# Altium PCB PCB1.PcbDoc
Units mm, origin at the board's own origin, x right, y up, seen from the top; angles counter-clockwise.
Board outline 53.75 x 28.96 mm, 4 copper layers (Top Layer, Layer 1, Layer 2, Bottom Layer), stack 0.603 mm thick; 77 components, 63 nets, 300 pads, 408 vias.
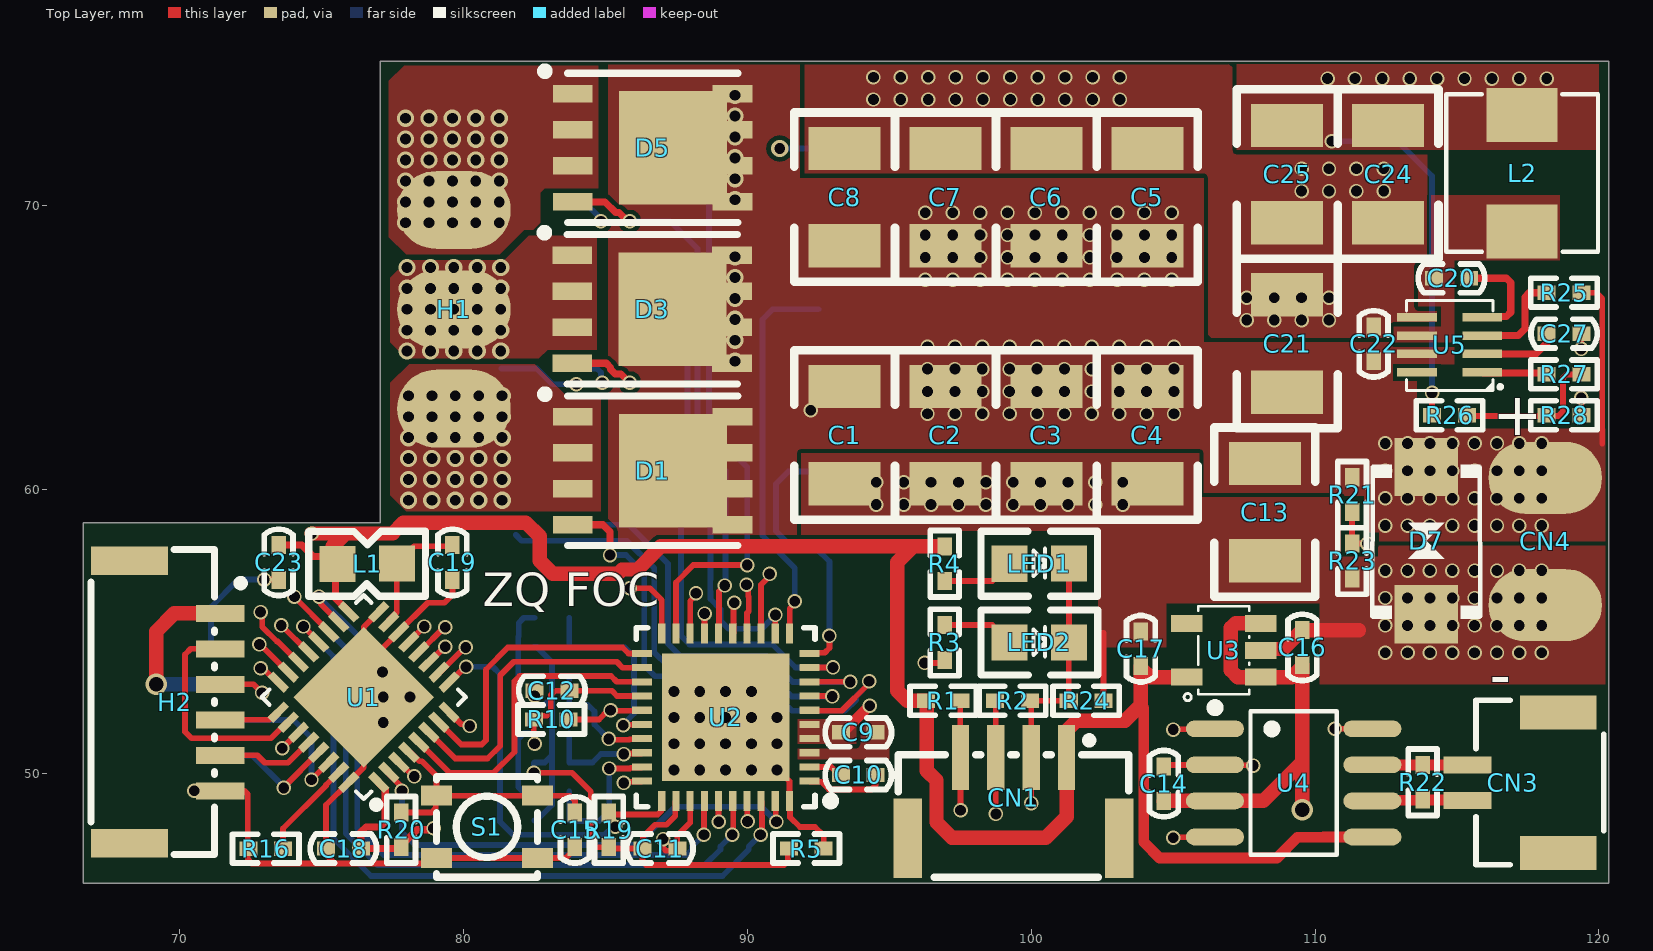
[diagram p0: Top Layer view]
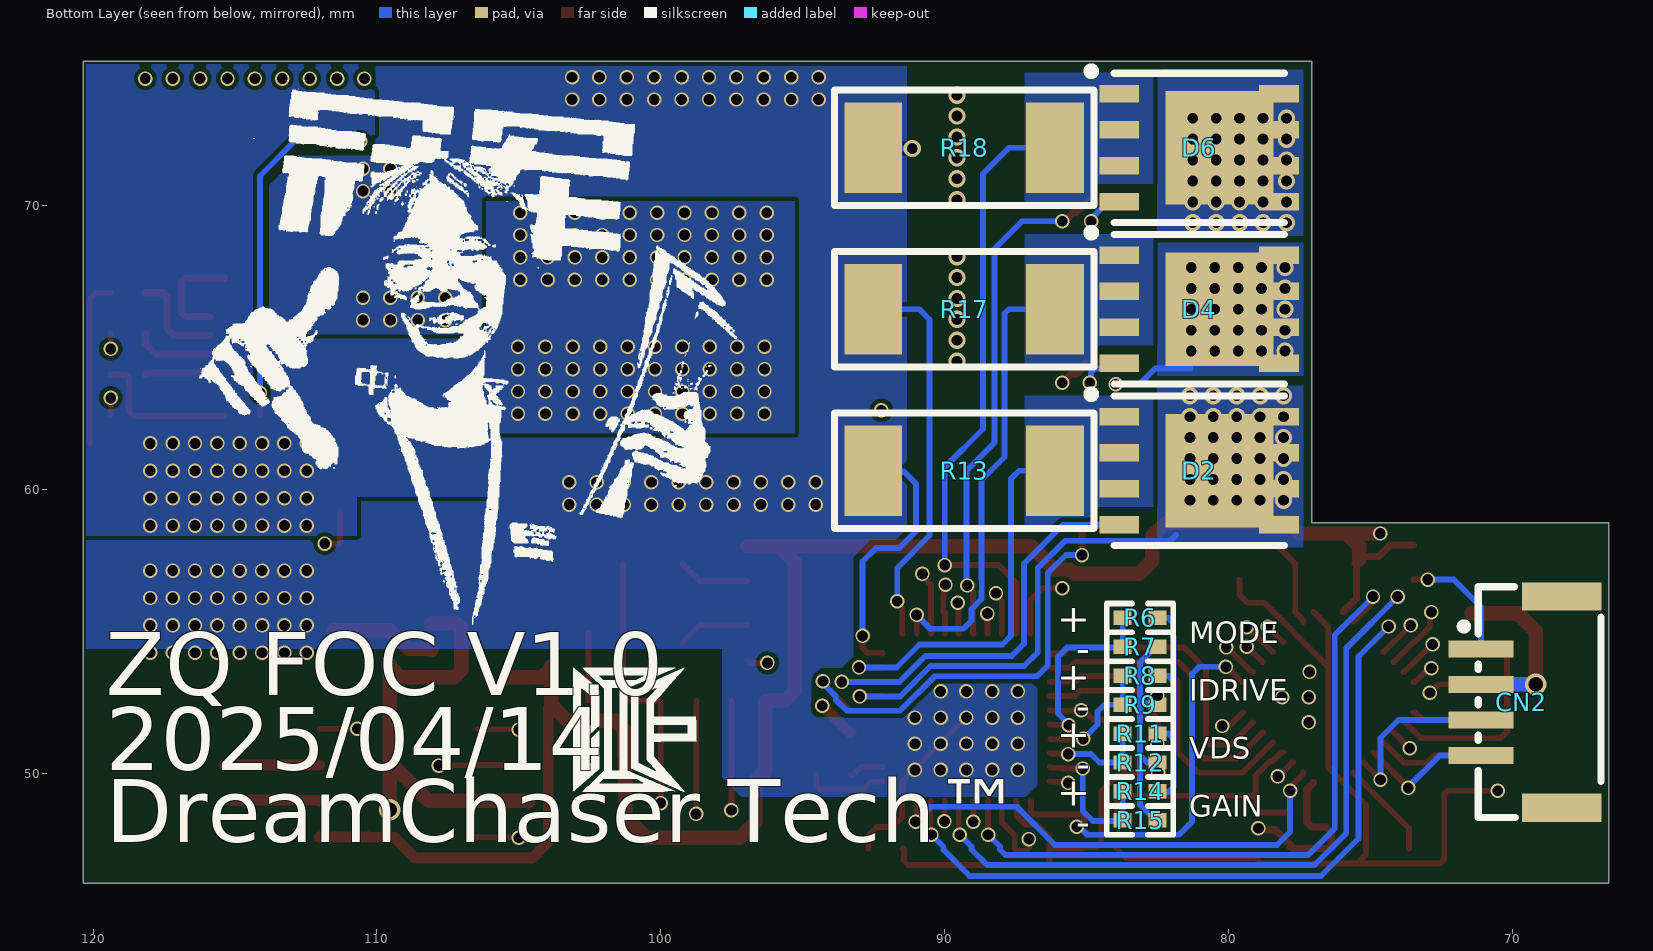
[diagram p1: Bottom Layer view, seen from below]
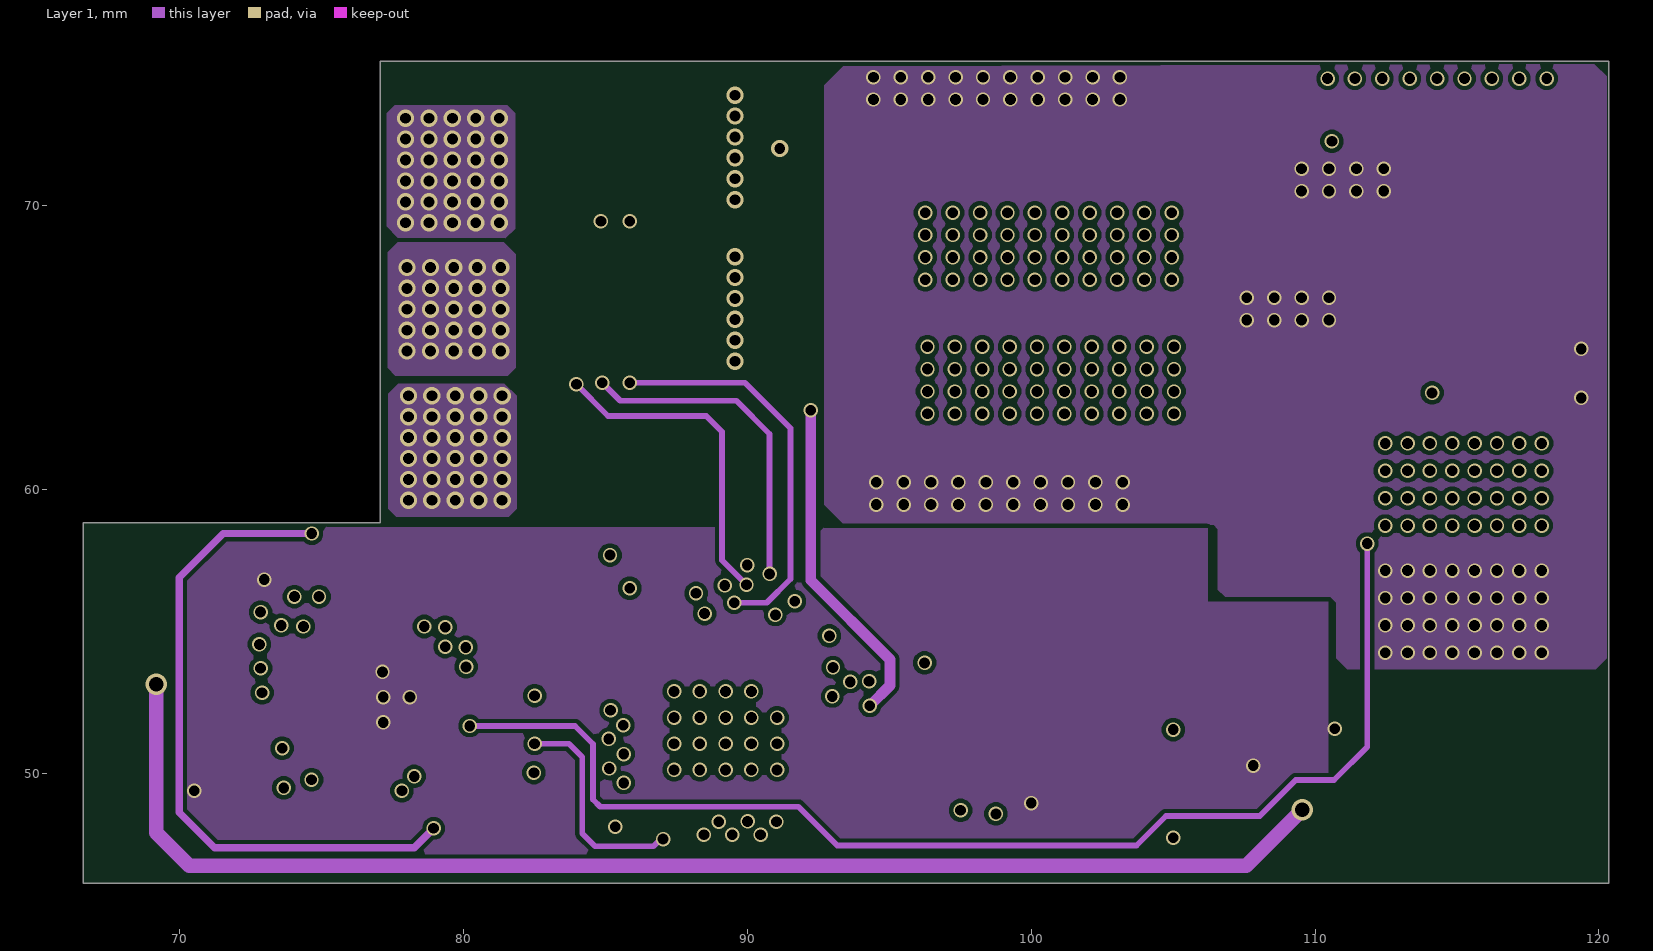
[diagram p2: Layer 1]
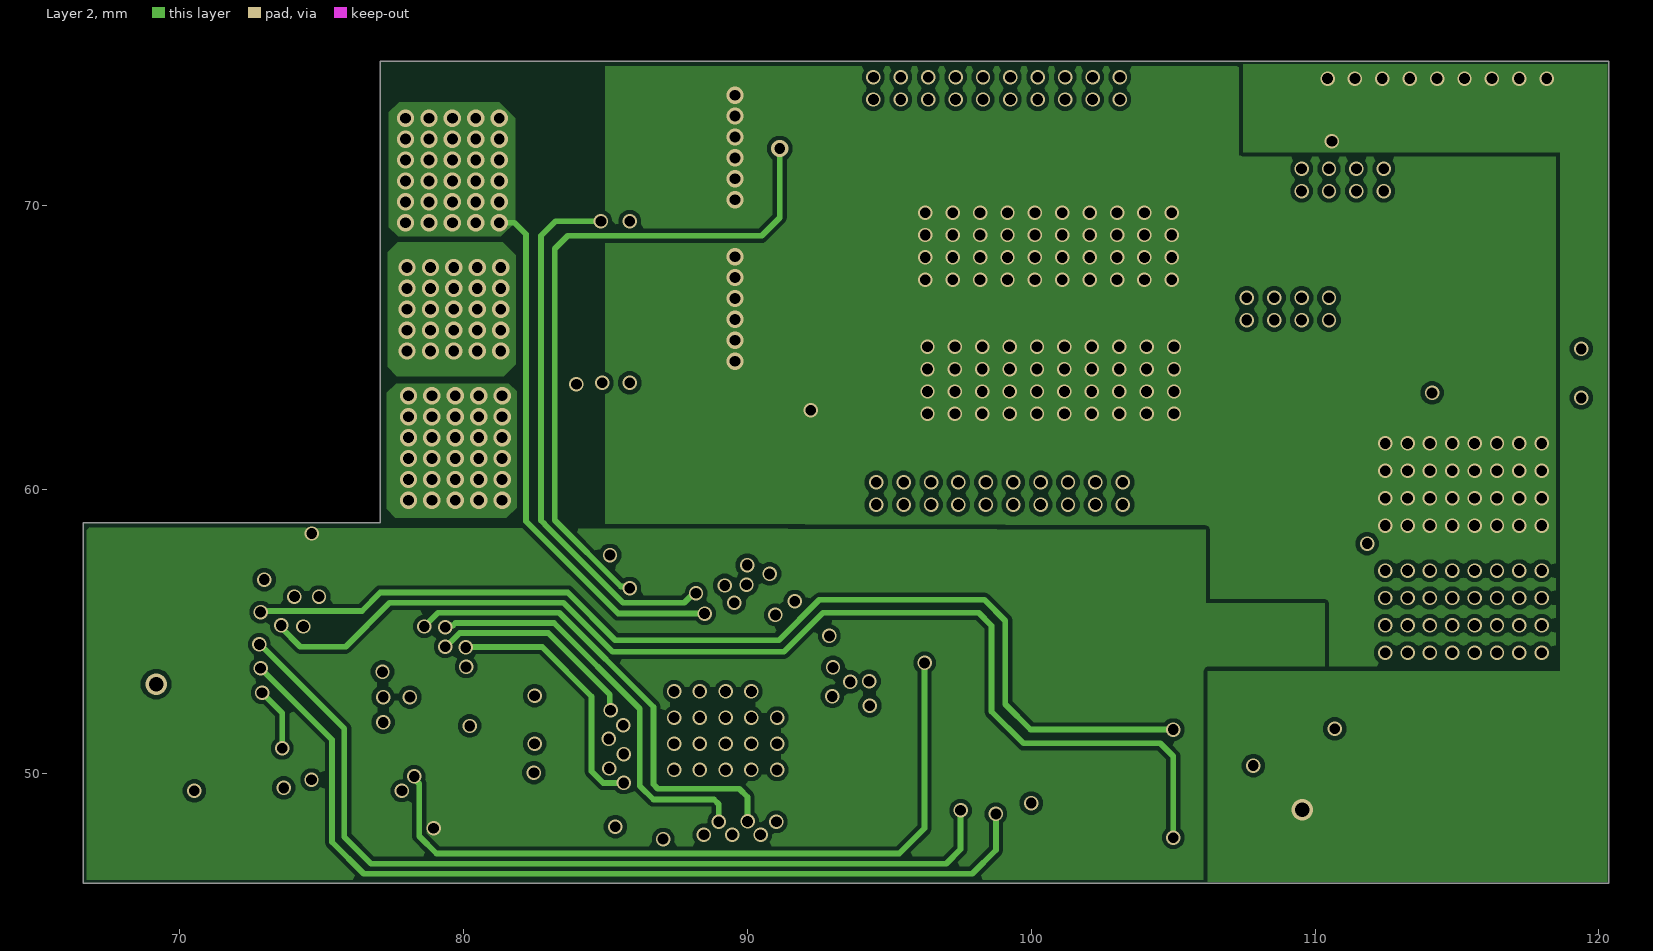
[diagram p3: Layer 2]
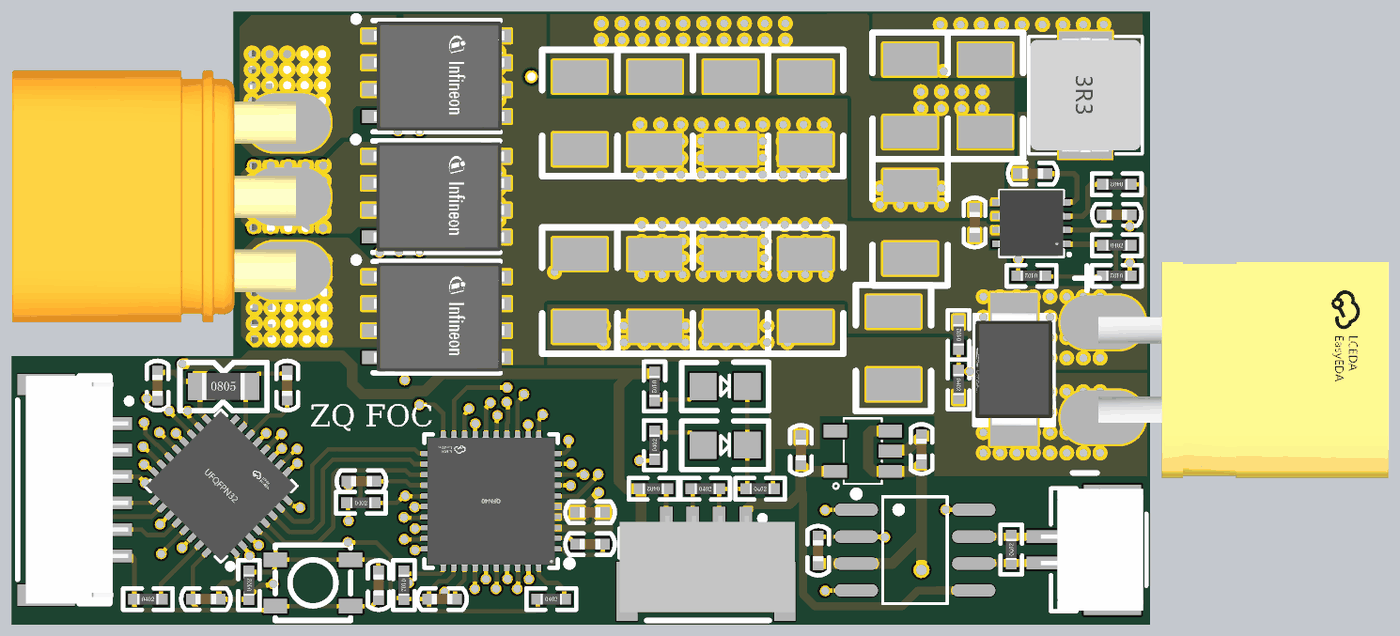
[diagram p4: 3D render of the assembled board from above, using the file's embedded part models]
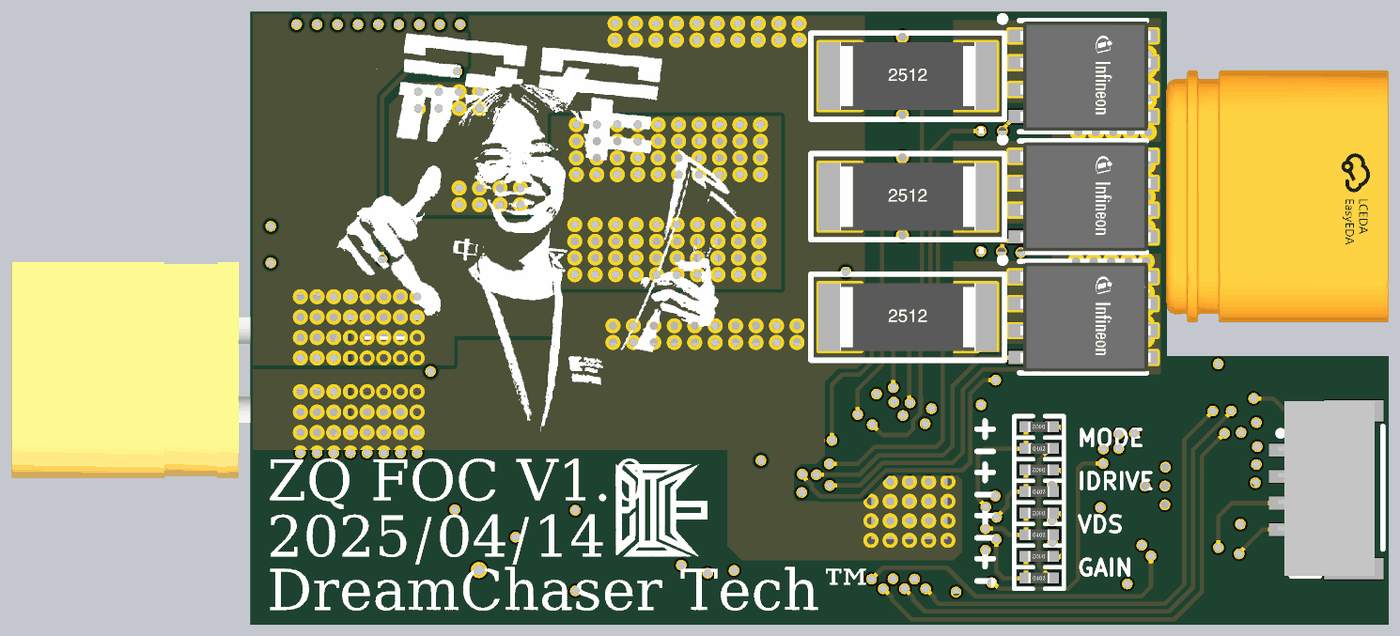
[diagram p5: 3D render of the assembled board from below, using the file's embedded part models]

## Layer stack, top to bottom
Top Solder: solder mask 0.0102, Solder Resist, Dk 3.5
Top Layer: signal copper 0.0356
Dielectric 2: prepreg 0.0711, PP-006, Dk 4.1
Layer 1: signal copper 0.035
Dielectric 1: dielectric 0.32, FR-4, Dk 4.8
Layer 2: signal copper 0.035
Dielectric 3: prepreg 0.0711, PP-006, Dk 4.1
Bottom Layer: signal copper 0.0356
Bottom Solder: solder mask 0.0102, Solder Resist, Dk 3.5

## Board outline
66.599,46.126 66.599,58.826 77.064,58.826 77.064,75.082 120.345,75.082 120.345,46.126

## Design rules (kind name [scope] priority, off if disabled: settings)
Clearance [All] p1: gap=0.152 ignorepadtopadclearanceinfootprint=FALSE
DiffPairsRouting [All] p1: maxlimit=0.254 minlimit=0.254 mostfreqgap=0.254 toplayer_minwidth=0.381 toplayer_maxwidth=0.381 toplayer_prefwidth=0.381 midlayer1_minwidth=0.381 midlayer1_maxwidth=0.381 midlayer1_prefwidth=0.381 midlayer2_minwidth=0.381 midlayer2_maxwidth=0.381 midlayer2_prefwidth=0.381 bottomlayer_minwidth=0.381 bottomlayer_maxwidth=0.381 bottomlayer_prefwidth=0.381 maxuncoupledlength=12.7
HoleSize [All] p1: absolutevalues=TRUE maxlimit=2539.975 minlimit=0.025 maxpercent=80.000 minpercent=20.000
HoleToHoleClearance [All] p1: gap=0.152 allowstackedmicrovias=TRUE
MinimumSolderMaskSliver [All] p1: minsoldermaskwidth=0
PlaneConnect [All] p1: planeconnectstyle=Direct reliefexpansion=0.508 reliefentries=4 reliefconductorwidth=0.254 reliefairgap=0.254
PolygonConnect [All] p1: connectstyle=Direct reliefconductorwidth=0.254 reliefentries=4 polygonreliefangle="90 Angle" airgapwidth=0.254
RoutingVias [All] p1: holewidth=0.711 width=1.27 viastyle="Through Hole" minholewidth=0.381 minwidth=0.508 maxholewidth=0.711 maxwidth=1.27
SilkToSilkClearance [All] p1: silktosilkclearance=0
SilkToSolderMaskClearance [IsPad] p1: minsilkscreentomaskgap=0 clearancetoexposedcopper=TRUE
SolderMaskExpansion [All] p1: expansion=0.102 istentingtop=FALSE
SupplyNets "Schematic Supply Nets_6" [InNet('VBUS')] p1: voltage=0.000
SupplyNets "Schematic Supply Nets_5" [InNet('DVDD')] p2: voltage=0.000
SupplyNets "Schematic Supply Nets_4" [InNet('PGND')] p3: voltage=0.000
SupplyNets "Schematic Supply Nets_3" [InNet('AGND')] p4: voltage=0.000
SupplyNets "Schematic Supply Nets_2" [InNet('5V')] p5: voltage=0.000
SupplyNets "Schematic Supply Nets_1" [InNet('DGND')] p6: voltage=0.000
SupplyNets "Schematic Supply Nets" [InNet('3V3')] p7: voltage=0.000
Width [All] p1: maxlimit=2.54 minlimit=0.152 preferedwidth=0.203
23 further rules are at their usual default settings.

## Classes and differential pairs
differential pair CAN: +CAN_P -CAN_N

## Components (designator, comment, footprint, x,y, rotation, side; value= is the part's Value field where it differs from the comment)
C1 "100uF" 1210 93.421,60.198 r90 top
C2 "100uF" 1210 96.977,60.198 r90 top
C3 "100uF" 1210 100.533,60.198 r90 top
C4 "100uF" 1210 104.089,60.198 r90 top
C5 "100uF" 1210 104.089,72.009 r270 top
C6 "100uF" 1210 100.533,72.009 r270 top
C7 "100uF" 1210 96.977,72.009 r270 top
C8 "100uF" 1210 93.421,72.009 r270 top
C9 "1uF" c0402 94.518,51.435 r180 top
C10 "47nF" c0402 94.518,49.936 r180 top
C11 "1uF" c0402 86.304,47.346 r0 top
C12 "0.1uF" c0402 82.499,52.908 r0 top
C13 "100uF" 1210 108.229,57.48 r90 top
C14 "0.1uF" c0402 104.673,50.241 r270 top
C15 "0.1uF" c0402 83.922,47.391 r90 top
C16 "10uF" c0402 109.55,55.042 r270 top
C17 "10uF" c0402 103.861,54.996 r270 top
C18 "0.1uF" c0402 76.378,47.346 r180 top
C19 "0.1uF" c0402 79.604,56.815 r90 top
C20 "100nF" c0402 115.418,67.437 r180 top
C21 "10uF" 1210 109.017,66.853 r270 top
C22 "100nF" c0402 112.065,65.74 r270 top
C23 "0.1uF" c0402 73.482,56.815 r90 top
C24 "10uF" 1210 112.573,69.393 r90 top
C25 "10uF" 1210 109.017,69.393 r90 top
C27 "100nF" c0402 119.385,65.49 r180 top
CN1 "卧式STLINK" CONN-SMD_4P-P1.25_GH1.25-4P 99.374,49.128 r0 top
CN2 "卧式gh1.25 4pin" CONN-SMD_4P-P1.25_GH1.25-4P 69.673,52.502 r90 bottom
CN3 "卧式CAN" A1257WR-S-2P 115.367,49.668 r90 top
CN4 "卧贴立式XT30母头" "CONN-TH_XT30U-M _Sleep" 118.11,58.166 r90 top
D1 "CSD18540" pg-tdson-8 89.432,61.925 r270 top
D2 "CSD18540" pg-tdson-8 78.259,61.925 r270 bottom
D3 "CSD18540" pg-tdson-8 89.415,67.615 r270 top
D4 "CSD18540" pg-tdson-8 78.259,67.615 r270 bottom
D5 "CSD18540" pg-tdson-8 89.432,73.304 r270 top
D6 "CSD18540" pg-tdson-8 78.259,73.304 r270 bottom
D7 "40V" SMB_L4.6-W3.6-LS5.3-BI 113.919,58.191 r270 top
H1 "MR30-M" MR30 79.654,66.345 r90 top
H2 "卧式GH1.25 6PIN" CONN-SMD_6P-P1.25_XYECONN_XY-GH1.25-6A61 69.824,52.505 r270 top
L1 "10μH" L0805 75.555,57.376 r0 top
L2 "22uH" IND-SMD_L5.4-W5.2 117.293,71.143 r270 top value=10uH
LED1 "LED" led0805 99.238,57.379 r0 top
LED2 "LED" led0805 99.24,54.605 r0 top
R1 "10KΩ" R0402 97.511,52.553 r180 top
R2 "10KΩ" R0402 98.73,52.553 r0 top
R3 "2KΩ" R0402 96.947,53.995 r90 top
R4 "2KΩ" R0402 96.947,57.993 r270 top
R5 "0Ω" R0402 91.46,47.346 r0 top
R6 "0Ω" R0402 82.499,55.474 r0 bottom
R7 "0Ω" R0402 83.723,54.454 r180 bottom
R8 "0Ω" R0402 82.499,53.434 r0 bottom
R9 "0Ω" R0402 83.723,52.415 r180 bottom
R10 "10KΩ" R0402 82.474,51.892 r0 top
R11 "0Ω" R0402 82.499,51.395 r0 bottom
R12 "0Ω" R0402 83.723,50.375 r180 bottom
R13 "0.02R" "R 2512_M" 89.306,60.655 r180 bottom
R14 "0Ω" R0402 82.499,49.356 r0 bottom
R15 "0Ω" R0402 83.723,48.336 r180 bottom
R16 "10KΩ" R0402 72.415,47.341 r0 top
R17 "0.02R" "R 2512_M" 89.306,66.345 r180 bottom
R18 "0.02R" "R 2512_M" 89.306,72.034 r180 bottom
R19 "200KΩ" R0402 85.115,48.616 r270 top
R20 "10KΩ" R0402 77.8,47.391 r90 top
R21 "10KΩ" R0402 111.303,59.202 r90 top
R22 "120Ω" R0402 113.792,49.068 r90 top
R23 "1KΩ" R0402 111.303,58.09 r270 top
R24 "0Ω" R0402 101.321,52.553 r0 top
R25 "10KΩ" R0402 119.385,66.929 r180 top
R26 "43KΩ" R0402 115.351,62.611 r180 top
R27 "51KΩ" R0402 118.161,64.05 r0 top
R28 "8.2KΩ" R0402 119.385,62.611 r180 top
S1 "SW" KEY_SMD 80.823,48.108 r0 top
U1 "STM32G431KBU3" UFQFPN-32_L5.0-W5.0-P0.50-BL-EP3.5 76.479,52.68 r45 top
U2 "DRV8323HRTAR" QFN-40_L6.0-W6.0-P0.50-BL-EP4.5 89.23,51.968 r90 top
U3 "XC6201P332MR-HXY" SOT-23-5_L3.0-W1.7-P0.95-LS2.8-BR 106.782,54.331 r0 top
U4 "TCAN1042VDRQ1" SOIC-8_L4.9-W3.9-P1.27-LS6.0-BL 109.245,49.657 r270 top
U5 "MP9943" "QFN-8 3x3" 115.889,64.12 r180 top

## Footprints (in the part's own frame and the unit in brackets; to place one, negate y for a bottom-side part, rotate by r counter-clockwise, add the part's x,y. Pads: shape width x height; smd on the part's side, far side on the other; paste and mask are expansions set on the pad)
1210 [mil]
  rect 60x100 smd: 1(0,0) 2(135,0)
  silkscreen extent -50,-70 185,70, body extent 4,-49 130,49, height 30
A1257WR-S-2P [mm]
  rect 1.2x2.7 smd: 0(-2.475,-3.2) 0(2.475,-3.2)
  rect 0.6x1.7 smd: 1(0.625,0) 2(-0.625,0)
  silkscreen extent -2.9,-4.8 2.9,-0.3, body extent -2.87,-4.66 2.87,0.2, height 4.26
c0402 [mil]
  rect 25x20 smd: 1(0,0) 2(48.2,0)
  silkscreen extent -22,-20 70,20, body extent 5,-10 44,10, height 20
CONN-SMD_4P-P1.25_GH1.25-4P [mm]
  rect 0.6x2.3 smd mask+0.051: 1(1.875,1.425) 2(0.625,1.425) 3(-0.625,1.425) 4(-1.875,1.425)
  rect 1x2.8 smd mask+0.051: 5(-3.725,-1.425) 6(3.725,-1.425)
  silkscreen extent -4.06,-2.8 4.06,2.16, body extent -4.07,-2.4 4.19,2.15, height 4.13
CONN-SMD_6P-P1.25_XYECONN_XY-GH1.25-6A61 [mm]
  rect 0.6x1.7 smd paste+0 mask+0.05: 1(-3.125,1.6) 2(-1.875,1.6) 3(-0.625,1.6) 4(0.625,1.6) 5(1.875,1.6) 6(3.125,1.6)
  rect 1x2.7 smd paste+0 mask+0.05: 7(4.975,-1.6) 8(-4.975,-1.6)
  silkscreen extent -5.38,-2.95 5.38,2.44, body extent -5.38,-2.55 5.39,2.3, height 4.34
"CONN-TH_XT30U-M _Sleep" [mm]
  oval 2.54x4 smd: 1(2.241,0) 2(-2.241,0)
  body extent -5.1,-13.49 5.1,0.21, height 3.85
IND-SMD_L5.4-W5.2 [mm]
  rect 1.9x2.5 smd: 1(2.05,0) 2(-2.05,0)
  silkscreen extent -2.78,-2.68 2.78,2.68, body extent -2.7,-2.6 2.7,2.6, height 3.1
KEY_SMD [mm]
  rect 1.1x0.7 smd: 1(-1.775,-1.1) 1(1.775,-1.1) 2(-1.775,1.1) 2(1.775,1.1)
  silkscreen extent -1.78,-1.78 1.78,1.78, body extent -1.75,-1.35 1.75,1.35, height 1.6
L0805 [mm]
  rect 1.27x1.27 smd: 1(0,0) 2(2.09,0.005)
  silkscreen extent -1.01,-1.14 3.1,1.15, body extent 0.04,-0.62 2.04,0.64, height 0.55
led0805 [mm] "1/8W"
  rect 1.27x1.27 smd: 1(0,0) 2(2.09,0.005)
  silkscreen extent -1.01,-1.14 3.1,1.15, body extent 0.05,-0.64 2.03,0.64, height 0.5
MR30 [mm]
  oval 2.75x4 smd: 1(-3.5,0) 2(0,0) 3(3.5,0)
  body extent -5.95,-0.36 5.95,13.04, height 2.45
pg-tdson-8 [mm]
  rect 0.61x1.4 smd: 1(3.175,-5.588) 2(-0.635,0.044) 2(0.635,0.044) 2(1.905,0.044) 2(3.175,0.044) 3(-0.635,-5.588) 3(0.635,-5.588) 3(1.905,-5.588)
  rect 4x3.81 smd: 2(1.27,-2.056)
  silkscreen extent -1.55,-6.7 3.9,0.23, body extent -1.43,-5.73 3.96,0.42, height 1.01
"QFN-8 3x3" [mm]
  rect 1.4x0.3 smd: 1(0,0) 2(0,-0.65) 3(0,-1.3) 4(0,-1.95) 5(2.3,-1.95) 6(2.3,-1.3) 7(2.3,-0.65) 8(2.3,0)
  silkscreen extent -0.64,-2.54 2.67,0.64, body extent -0.41,-2.53 2.69,0.57, height 0.94
QFN-40_L6.0-W6.0-P0.50-BL-EP4.5 [mm]
  rect 0.25x0.7 smd paste-100 mask+0.051: 1(-2.25,-2.95) 2(-1.75,-2.95) 3(-1.25,-2.95) 4(-0.75,-2.95) 5(-0.25,-2.95) 6(0.25,-2.95) 7(0.75,-2.95) 8(1.25,-2.95) 9(1.75,-2.95) 10(2.25,-2.95) 21(2.25,2.95) 22(1.75,2.95) 23(1.25,2.95) 24(0.75,2.95) 25(0.25,2.95) 26(-0.25,2.95) 27(-0.75,2.95) 28(-1.25,2.95) 29(-1.75,2.95) 30(-2.25,2.95)
  rect 0.7x0.25 smd paste-100 mask+0.051: 11(2.95,-2.25) 12(2.95,-1.75) 13(2.95,-1.25) 14(2.95,-0.75) 15(2.95,-0.25) 16(2.95,0.25) 17(2.95,0.75) 18(2.95,1.25) 19(2.95,1.75) 20(2.95,2.25) 31(-2.95,2.25) 32(-2.95,1.75) 33(-2.95,1.25) 34(-2.95,0.75) 35(-2.95,0.25) 36(-2.95,-0.25) 37(-2.95,-0.75) 38(-2.95,-1.25) 39(-2.95,-1.75) 40(-2.95,-2.25)
  rect 4.5x4.5 smd paste-100 mask+0.051: 41(0,0)
  silkscreen extent -3.15,-3.85 3.15,3.15, body extent -3.01,-3.01 3.01,3.01, height 0.83
R0402 [mil] "1/16W"
  rect 25x20 smd: 1(0,0) 2(48.2,0)
  silkscreen extent -22,-20 70,20, body extent 5,-10 44,10, height 14
"R 2512_M" [mm] "1W贴片电阻"
  rect 2.032x3.2 smd: 1(-3.2,0) 2(3.2,0)
  silkscreen extent -4.57,-2.03 4.57,2.03, body extent -3.2,-1.6 3.2,1.6, height 0.55
SMB_L4.6-W3.6-LS5.3-BI [mm]
  rect 2.047x2.241 smd: 1(-2.591,0) 2(2.591,0)
  silkscreen extent -2.67,-1.91 2.74,1.91, body extent -2.7,-1.8 2.7,1.8, height 2.1
SOIC-8_L4.9-W3.9-P1.27-LS6.0-BL [mm]
  oval 0.588x2.045 smd mask+0.051: 1(-1.905,-2.772) 2(-0.635,-2.772) 3(0.635,-2.772) 4(1.905,-2.772) 5(1.905,2.772) 6(0.635,2.772) 7(-0.635,2.772) 8(-1.905,2.772)
  silkscreen extent -2.8,-2.92 2.53,1.52, body extent -2.45,-3 2.45,3, height 1.75
SOT-23-5_L3.0-W1.7-P0.95-LS2.8-BR [mm]
  rect 1.1x0.6 smd: 1(1.3,-0.95) 2(1.3,0) 3(1.3,0.95) 4(-1.3,0.95) 5(-1.3,-0.95)
  silkscreen extent -1.4,-1.78 0.9,1.55, body extent -1.5,-1.5 1.5,1.5, height 1.3
UFQFPN-32_L5.0-W5.0-P0.50-BL-EP3.5 [mm]
  rect 0.28x0.8 smd paste-100 mask+0.051: 1(-1.75,-2.5) 2(-1.25,-2.5) 3(-0.75,-2.5) 4(-0.25,-2.5) 5(0.25,-2.5) 6(0.75,-2.5) 7(1.25,-2.5) 8(1.75,-2.5) 17(1.75,2.5) 18(1.25,2.5) 19(0.75,2.5) 20(0.25,2.5) 21(-0.25,2.5) 22(-0.75,2.5) 23(-1.25,2.5) 24(-1.75,2.5)
  rect 0.8x0.28 smd paste-100 mask+0.051: 9(2.5,-1.75) 10(2.5,-1.25) 11(2.5,-0.75) 12(2.5,-0.25) 13(2.5,0.25) 14(2.5,0.75) 15(2.5,1.25) 16(2.5,1.75) 25(-2.5,1.75) 26(-2.5,1.25) 27(-2.5,0.75) 28(-2.5,0.25) 29(-2.5,-0.25) 30(-2.5,-0.75) 31(-2.5,-1.25) 32(-2.5,-1.75)
  rect 3.5x3.5 smd paste-100 mask+0.051: 33(0,0)
  silkscreen extent -2.54,-3.12 2.54,2.54, body extent -2.51,-2.52 2.52,2.51, height 0.61

## Part data
C1 C2 C3 C4 C5 C6 C7 C8 C13 C21 C24 C25: library part 1210贴片电容, "1210贴片电容"
C9 C10 C11 C12 C14 C15 C16 C17 C18 C19 C20 C22 C23 C27: library part 0402贴片电容, "贴片电容0402"
D1 D2 D3 D4 D5 D6: "N沟道MOS管", ComponentLink1Description="Manufacturer Link", ComponentLink1URL=http://www.irf.com/, DatasheetVersion=PD-9.814, LatestRevisionDate=17-Jul-2002, LatestRevisionNote="Re-released for DXP Platform.", Note="Pin 2 is electrically connected to pin 4.", PackageDescription="TO, Thru-Hole, Vertical, Heatsink Mounted; 3 In-Line Leads; Pitch 2.54 mm", PackageReference=TO-220AB, PackageVersion=Feb-1997, Published=8-Jun-2000, Publisher="Altium Limited"
D7: library part P6SMB30CA, "28V 双向TVS", Breakdown Voltage=28.5V, JLCPCB Part Class="Extended Part", Manufacturer=Littelfuse(美国力特), Maximum Clamping Voltage=41.4V, Peak Pulse Current (Ipp)@10/1000us=14.7A, Peak Pulse Power Dissipation (Ppp)@10/1000us=600W, Reverse Stand-Off Voltage (Vrwm)=25.6V, Add into BOM=yes, Convert to PCB=yes, Datasheet=https://atta.szlcsc.com/upload/public/pdf/source/20170919/C130399_1505787216040976929.pdf, Device=P6SMB30CA_C80384, LCSC Part Name=P6SMB30CA, Manufacturer Part=P6SMB30CA, Supplier=LCSC, Supplier Footprint=SMB(DO-214AA), Supplier Part=C80384, Symbol=P6SMB30CA, Type=TVS
H1: BOM_Manufacturer=AMASS(艾迈斯), BOM_Manufacturer Part=MR30-M, BOM_Supplier=LCSC, BOM_Supplier Part=C99873, Contributor=LCEDA_Lib, spicePre=H, spiceSymbolName=HDR-F-2.54_1x3
L1: library part 0805贴片电感, "0805贴片电感"
L2: library part 0530屏蔽电感, "一体成型屏蔽电感，0530封装，额定电流3A", DC Resistance (DCR)=125mΩ, JLCPCB Part Class="Extended Part", LCSC Part Name="10uH ±20% 3.5A", Manufacturer=XR(祥如), Manufacturer Part=XR0530-100M, Rated Current=3.2A, Saturation Current (Isat)=3.5A, Tolerance=±20%, Add into BOM=yes, Convert to PCB=yes, Datasheet=https://atta.szlcsc.com/upload/public/pdf/source/20240328/42FE63A3232C4AF7EB8F1CDEDD5FC69F.pdf, Device=XR0530-100M, Supplier=LCSC, Supplier Footprint=SMD,0530, Supplier Part=C5307602, Symbol=XR0530-100M, Type=一体成型电感
LED1 LED2: library part 0805贴片LED, "0805贴片LED"
R1 R2 R3 R4 R5 R6 R7 R8 R9 R10 R11 R12 R14 R15 R16 R19 R20 R21 R22 R23 R24 R25 R26 R27 R28: library part 0402贴片电阻, "0402贴片电阻"
R13 R17 R18: library part 2512检流电阻, "2512检流电阻"
S1: "开关"
U1: JLCPCB Part Class="Extended Part", LCSC Part Name="带DSP和FPU的170MHz主流ARM Cortex-M4 MCU，具有128 KB Flash存储器、数学加速器和中等模拟电平集成", Low Voltage Detection Threshold=1.71V~3.6V, Manufacturer=ST(意法半导体), ADC (Bit)=12bit, Add into BOM=yes, Application Area=-, Convert to PCB=yes, CPU Core=ARM-M4, CPU Maximum Speed=170MHz, DAC (Bit)=12bit, Datasheet=https://atta.szlcsc.com/upload/public/pdf/source/20210607/F3CD0646E5D00AAFDE875C196C2D7333.pdf, Device=STM32G431KBU3, Manufacturer Part=STM32G431KBU3, Number of I/O=26, Program Memory Type=FLASH, Program Storage Size=128KB, Supplier=LCSC, Supplier Footprint=UFQFPN-32(5x5), Supplier Part=C1341901, Symbol=STM32G431KBU3
U2: JLCPCB Part Class="Extended Part", LCSC Part Name="5mA 无刷直流BLDC电机驱动芯片 60V", Manufacturer=TI(德州仪器), Add into BOM=yes, Convert to PCB=yes, Datasheet=https://www.ti.com/cn/lit/gpn/drv8323, Device=DRV8323HRTAR, Manufacturer Part=DRV8323HRTAR, Supplier=LCSC, Supplier Footprint=QFN-40-EP(6x6), Supplier Part=C701783, Symbol=DRV8323HRTAR
U3: "3.3V LDO", JLCPCB Part Class="Extended Part", Manufacturer="HXY MOSFET(华轩阳电子)", MAX Output Current=300mA, Maximum Input Voltage=12V, Output Voltage=3.3V, Add into BOM=yes, Convert to PCB=yes, Datasheet=https://atta.szlcsc.com/upload/public/pdf/source/20231208/3D7EFECB06481ED5AED4680614D7FFF5.pdf, Device=XC6201P332MR-HXY, LCSC Part Name=XC6201P332MR-HXY, Manufacturer Part=XC6201P332MR-HXY, Output Polarity=正极, Output Type=固定, Supplier=LCSC, Supplier Footprint=SOT-23-5L, Supplier Part=C19626990, Symbol=XC6201P332MR-HXY
U4: JLCPCB Part Class="Extended Part", LCSC Part Name="TCAN1042-Q1 汽车故障保护 CAN 收发器，带 CAN FD", Manufacturer=TI(德州仪器), Operating Temperature=-55℃~+125℃, Supply Current=-, Supply Voltage=4.5V~5.5V, Add into BOM=yes, Convert to PCB=yes, Data Rate=-, Datasheet=https://www.ti.com/cn/lit/gpn/tcan1042hv-q1, Device=TCAN1042VDRQ1, Manufacturer Part=TCAN1042VDRQ1, Supplier=LCSC, Supplier Footprint=SOIC-8, Supplier Part=C485806, Symbol=TCAN1042VDRQ1, Type=-
CN3: LatestRevisionDate=17-Jul-2002, LatestRevisionNote="Re-released for DXP Platform.", Publisher="Altium Limited"

## Via types
v1: diameter 0.508, hole 0.381, Top Layer to Bottom Layer, 308 vias
v2: diameter 0.61, hole 0.381, Top Layer to Bottom Layer, 98 vias
v3: diameter 0.762, hole 0.508, Top Layer to Bottom Layer, 2 vias
